# EAGLE board working (EAGLE 9.6.2), part 16 of 28 (continued)
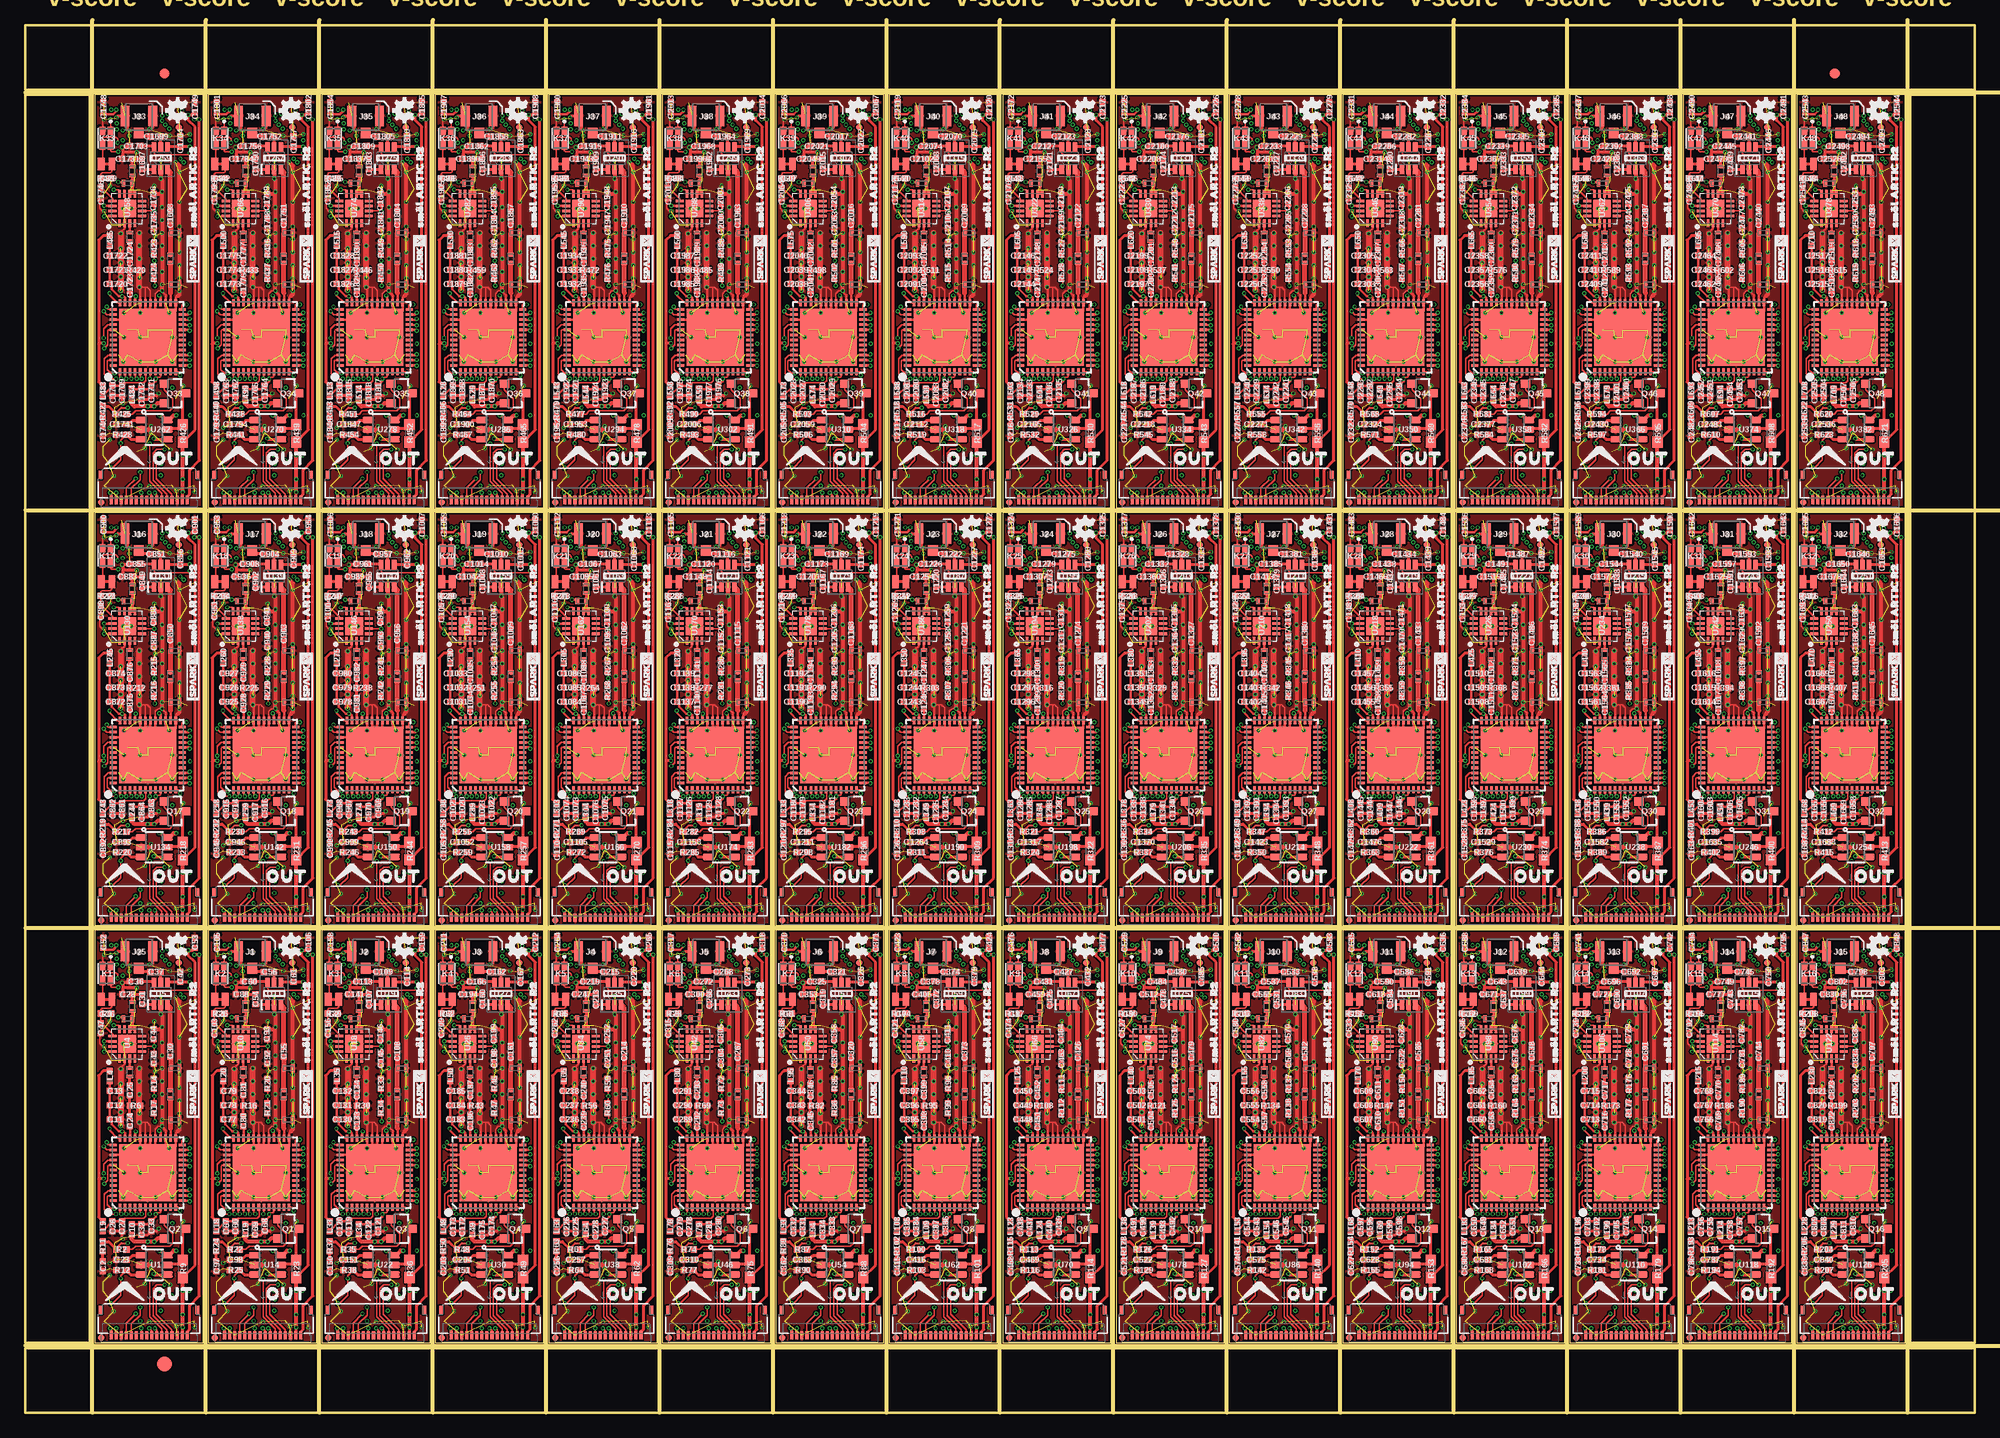
[diagram p0: board, top side]
## Tracks (layer width: path | path; a pad name or v marks a point on that pad's centre or on a via) (continued)
  Top 0.305: v154.24,45.27 154.41,45.44 J13.2 155.32,45.21 155.32,44.2 v155.51,44.01 | v157.48,44.13 157.67,44.13 157.84,44.3 J13.1 | C705.2 157.35,17.53 C704.2 158.19,17.85 v158.43,18.1 | v154.88,17.14 154.81,17.21 C702.2 C703.2 | C724.1 154.82,41.35 154.94,41.47 154.94,41.85 | 154.94,41.85 154.94,42.23 v154.81,42.35 155.46,42.35 C696.2 | v156.27,41.85 154.94,41.85
  Top 0.406: 160.27,27.69 160.45,27.86 L207.P$1 L208.P$1 160.45,34.53 v160.47,34.54 160.47,40.51 v160.08,40.89 | 156.59,30.22 R173.1 | v158.75,28.19 v158.75,28.83 v158.75,30.1 v158.75,31.37 v158.75,32.64 v158.75,33.91 v158.75,35.18 v158.75,36.45 v158.75,37.97 | C729.2 158.55,37.77 v158.75,37.97 | v157.67,14.86 157.35,14.54 | U110.2 157.35,14.54 | v157.67,14.22 157.35,14.54 | U107.2 v158.62,39.24 158.75,39.12 v158.75,37.97
  Top 0.61: v156.53,28.57 v156.53,29.46 v156.53,31.37 v156.53,32.64 v156.53,33.91 | 154.69,28.31 v154.69,29.59 v154.69,30.99 v154.69,32.38 v154.69,33.85
  Bottom 0.152: U111.4 161.02,18.68 v160.85,18.86 | v154.81,42.35 154.05,42.35 153.04,41.35 R174.2 C718.1 153.04,39.11 v153.61,38.54 | X14.2 153.58,23.95 152.41,23.95 | C694.2 152.41,13.46 152.41,20.9 | 152.41,23.95 152.41,27.12 152.59,27.3 C707.2 153.17,27.3 154.08,26.4 154.42,26.4 154.78,26.04 v155,26.04 | 152.41,23.95 152.41,20.9 | R172.2 152.41,20.9
  Bottom 0.254: X14.1 155.39,24 v155,23.62
  Bottom 0.305: C738.2 158.94,17.59 v158.43,18.1
  Bottom 0.406: v153.61,14.73 153.61,14.22 U108.2 153.61,14.1 v153.61,13.53
  other vias: 160.46,29.46 160.46,28.19 160.46,32 160.46,33.27 156.59,23.62 154.94,21.21 156.59,21.21 158.12,21.21 159.77,21.21 160.46,30.73 154.69,28.19 154.94,36.32 155.7,36.32 157.99,38.54 161.48,43.62 158.62,41.02 160.46,36.96 160.46,39.88 160.15,8.51 161.99,8.38 157.04,12.7 160.46,45.34 159.77,23.62 157.48,8.95 153.99,9.97 159.58,12.57 159.45,26.04 159.51,43.5 158.08,33.62 153.48,11.24
  cutout Route2 (isolate 0.305): 159,40.64 160.15,40.64 160.15,27.94 159.89,27.69 159.89,26.54 159.26,26.54 159.26,27.81 159,28.07
  pour Top (isolate 0.152, rank 3): 152.15,47.5 162.81,47.5 162.81,6.86 152.15,6.86
  pour Route2 (isolate 0.152, rank 2): 152.15,47.5 162.81,47.5 162.81,6.86 152.15,6.86
  pour Route15 (isolate 0.152, rank 2): 152.15,47.5 162.81,47.5 162.81,6.86 152.15,6.86
  pour Bottom (isolate 0.152, rank 2): 152.15,47.5 162.81,47.5 162.81,6.86 152.15,6.86
  pour Top (isolate 0.102): 154.43,35.18 156.84,35.18 156.84,26.29 154.43,26.29
  pour Top (isolate 0.102): 158.56,40.64 160.66,40.64 160.66,26.29 158.56,26.29
  pour Top (isolate 0.102): 155.07,41.59 158.56,41.59 158.56,37.15 155.07,37.15
  pour Top (isolate 0.102): 154.5,46.61 159.07,46.61 159.07,41.59 154.5,41.59
GND14  (via drill 0.2)  (89 unrouted)
  Top 0.152: U113.30 168.78,28.26 168.47,28.57 168.28,28.57 | v167.7,28.57 168.28,28.57 | U113.31 168.28,28.57 | U113.29 169.26,27.04 169.26,27.91 169.54,28.19 v169.93,28.19 | v164.21,36.07 164.02,36.07 163.77,36.32 163.77,37.22 C792.1 | K15.2 164.06,44.94 v164.21,45.08
  Top 0.203: U114.2 166.25,34.36 165.86,33.97 v165.86,33.85
  Top 0.254: v169.93,28.19 169.93,28.13 170.28,27.78 U113.27 170.28,25.94 170.31,25.91 | 171.45,27.69 171.28,27.52 U113.25 171.28,26.25 170.94,25.91 170.31,25.91 | v167.78,26.05 U113.32 167.78,28.5 v167.7,28.57 | v167.78,26.05 v167.77,26.04 | U113.39 165.94,25.37 166.18,25.62 v166.18,26.04 | 170.31,25.91 169.29,25.91 | 169.29,25.91 168.78,25.91 | 168.78,25.91 168.28,25.91 | 168.28,25.91 167.92,25.91 v167.78,26.05 | U113.31 168.28,25.91 | U113.30 168.78,25.91 | U113.29 169.28,25.92 169.29,25.91
  Top 0.305: v165.42,45.27 165.58,45.44 J14.2 166.5,45.21 166.5,44.2 v166.69,44.01 | v168.66,44.13 168.85,44.13 169.02,44.3 J14.1 | C758.2 168.53,17.53 C757.2 169.36,17.85 v169.61,18.1 | v166.05,17.14 165.99,17.21 C755.2 C756.2 | C777.1 166,41.35 166.12,41.47 166.12,41.85 | 166.12,41.85 166.12,42.23 v165.99,42.35 166.63,42.35 C749.2 | v167.45,41.85 166.12,41.85
  Top 0.406: 171.45,27.69 171.63,27.86 L222.P$1 L223.P$1 171.63,34.53 v171.64,34.54 171.64,40.51 v171.26,40.89 | R186.1 | v169.93,28.19 v169.93,28.83 v169.93,30.1 v169.93,31.37 v169.93,32.64 v169.93,33.91 v169.93,35.18 v169.93,36.45 v169.93,37.97 | C782.2 169.73,37.77 v169.93,37.97 | v168.85,14.86 168.53,14.54 | U118.2 168.53,14.54 | v168.85,14.22 168.53,14.54 | U115.2 v169.8,39.24 169.93,39.12 v169.93,37.97
  Top 0.61: v167.7,28.57 v167.7,29.46 v167.7,31.37 v167.7,32.64 v167.7,33.91 | 165.86,28.31 v165.86,29.59 v165.86,30.99 v165.86,32.38 v165.86,33.85
  Bottom 0.152: U119.4 172.2,18.68 v172.02,18.86 | v165.99,42.35 165.23,42.35 164.22,41.35 R187.2 C771.1 164.22,39.11 v164.78,38.54 | X15.2 164.76,23.95 163.58,23.95 | C747.2 163.58,13.46 163.58,20.9 | 163.58,23.95 163.58,27.12 163.76,27.3 C760.2 164.35,27.3 165.25,26.4 165.59,26.4 165.96,26.04 v166.18,26.04 | 163.58,23.95 163.58,20.9 | R185.2 163.59,20.9 163.58,20.9
  Bottom 0.254: X15.1 166.56,24 v166.18,23.62
  Bottom 0.305: C791.2 170.12,17.59 v169.61,18.1
  Bottom 0.406: v164.78,14.73 164.78,14.22 U116.2 164.78,14.1 v164.78,13.53
  other vias: 171.64,29.46 171.64,28.19 171.64,32 171.64,33.27 167.77,23.62 166.12,21.21 167.77,21.21 169.29,21.21 170.94,21.21 171.64,30.73 165.86,28.19 166.12,36.32 166.88,36.32 169.16,38.54 172.66,43.62 169.8,41.02 171.64,36.96 171.64,39.88 171.32,8.51 173.16,8.38 168.21,12.7 171.64,45.34 170.94,23.62 168.66,8.95 165.16,9.97 170.75,12.57 170.62,26.04 170.69,43.5 169.25,33.62 164.66,11.24
  cutout Route2 (isolate 0.305): 170.18,40.64 171.32,40.64 171.32,27.94 171.07,27.69 171.07,26.54 170.43,26.54 170.43,27.81 170.18,28.07
  pour Top (isolate 0.152, rank 3): 163.32,47.5 173.99,47.5 173.99,6.86 163.32,6.86
  pour Route2 (isolate 0.152, rank 2): 163.32,47.5 173.99,47.5 173.99,6.86 163.32,6.86
  pour Route15 (isolate 0.152, rank 2): 163.32,47.5 173.99,47.5 173.99,6.86 163.32,6.86
  pour Bottom (isolate 0.152, rank 2): 163.32,47.5 173.99,47.5 173.99,6.86 163.32,6.86
  pour Top (isolate 0.102): 165.61,35.18 168.02,35.18 168.02,26.29 165.61,26.29
  pour Top (isolate 0.102): 169.74,40.64 171.83,40.64 171.83,26.29 169.74,26.29
  pour Top (isolate 0.102): 166.24,41.59 169.74,41.59 169.74,37.15 166.24,37.15
  pour Top (isolate 0.102): 165.67,46.61 170.24,46.61 170.24,41.59 165.67,41.59
GND15  (via drill 0.2)  (89 unrouted)
  Top 0.152: U121.30 179.96,28.26 179.64,28.57 179.45,28.57 | v178.88,28.57 179.45,28.57 | U121.31 179.46,28.57 179.45,28.57 | U121.29 180.44,27.04 180.44,27.91 180.72,28.19 v181.1,28.19 | v175.39,36.07 175.2,36.07 174.94,36.32 174.94,37.22 C845.1 | K16.2 175.24,44.94 v175.39,45.08
  Top 0.203: U122.2 177.42,34.36 177.04,33.97 v177.04,33.85
  Top 0.254: v181.1,28.19 181.1,28.13 181.46,27.78 U121.27 181.46,25.94 181.48,25.91 | 182.63,27.69 182.46,27.52 U121.25 182.46,26.25 182.12,25.91 181.48,25.91 | v178.96,26.05 U121.32 178.96,28.5 v178.88,28.57 | v178.96,26.05 v178.94,26.04 | U121.39 177.11,25.37 177.36,25.62 v177.36,26.04 | 181.48,25.91 180.47,25.91 | 180.47,25.91 179.96,25.91 | 179.96,25.91 179.45,25.91 | 179.45,25.91 179.09,25.91 v178.96,26.05 | U121.31 179.46,25.91 179.45,25.91 | U121.30 179.96,25.91 | U121.29 180.46,25.92 180.47,25.91
  Top 0.305: v176.59,45.27 176.76,45.44 J15.2 177.67,45.21 177.67,44.2 v177.86,44.01 | v179.83,44.13 180.02,44.13 180.19,44.3 J15.1 | C811.2 179.71,17.53 C810.2 180.54,17.85 v180.78,18.1 | v177.23,17.14 177.16,17.21 C808.2 C809.2 | C830.1 177.17,41.35 177.29,41.47 177.29,41.85 | 177.29,41.85 177.29,42.23 v177.16,42.35 177.81,42.35 C802.2 | v178.63,41.85 177.29,41.85
  Top 0.406: 182.63,27.69 182.8,27.86 L237.P$1 L238.P$1 182.8,34.53 v182.82,34.54 182.82,40.51 v182.44,40.89 | R199.1 | v181.1,28.19 v181.1,28.83 v181.1,30.1 v181.1,31.37 v181.1,32.64 v181.1,33.91 v181.1,35.18 v181.1,36.45 v181.1,37.97 | C835.2 180.9,37.77 v181.1,37.97 | v180.02,14.86 179.71,14.54 | U126.2 179.71,14.54 | v180.02,14.22 179.71,14.54 | U123.2 v180.97,39.24 181.1,39.12 v181.1,37.97
  Top 0.61: v178.88,28.57 v178.88,29.46 v178.88,31.37 v178.88,32.64 v178.88,33.91 | 177.04,28.31 v177.04,29.59 v177.04,30.99 v177.04,32.38 v177.04,33.85
  Bottom 0.152: U127.4 183.38,18.68 v183.2,18.86 | v177.16,42.35 176.4,42.35 175.4,41.35 R200.2 C824.1 175.4,39.11 v175.96,38.54 | X16.2 175.94,23.95 174.76,23.95 | C800.2 174.76,13.46 174.76,20.9 | 174.76,23.95 174.76,27.12 174.94,27.3 C813.2 175.52,27.3 176.43,26.4 176.77,26.4 177.13,26.04 v177.36,26.04 | 174.76,23.95 174.76,20.9 | R198.2 174.76,20.9
  Bottom 0.254: X16.1 177.74,24 v177.36,23.62
  Bottom 0.305: C844.2 181.29,17.59 v180.78,18.1
  Bottom 0.406: v175.96,14.73 175.96,14.22 U124.2 175.96,14.1 v175.96,13.53
  other vias: 182.82,29.46 182.82,28.19 182.82,32 182.82,33.27 178.94,23.62 177.29,21.21 178.94,21.21 180.47,21.21 182.12,21.21 182.82,30.73 177.04,28.19 177.29,36.32 178.05,36.32 180.34,38.54 183.83,43.62 180.97,41.02 182.82,36.96 182.82,39.88 182.5,8.51 184.34,8.38 179.39,12.7 182.82,45.34 182.12,23.62 179.83,8.95 176.34,9.97 181.93,12.57 181.8,26.04 181.86,43.5 180.43,33.62 175.83,11.24
  cutout Route2 (isolate 0.305): 181.36,40.64 182.5,40.64 182.5,27.94 182.25,27.69 182.25,26.54 181.61,26.54 181.61,27.81 181.36,28.07
  pour Top (isolate 0.152, rank 3): 174.5,47.5 185.17,47.5 185.17,6.86 174.5,6.86
  pour Route2 (isolate 0.152, rank 2): 174.5,47.5 185.17,47.5 185.17,6.86 174.5,6.86
  pour Route15 (isolate 0.152, rank 2): 174.5,47.5 185.17,47.5 185.17,6.86 174.5,6.86
  pour Bottom (isolate 0.152, rank 2): 174.5,47.5 185.17,47.5 185.17,6.86 174.5,6.86
  pour Top (isolate 0.102): 176.78,35.18 179.2,35.18 179.2,26.29 176.78,26.29
  pour Top (isolate 0.102): 180.91,40.64 183.01,40.64 183.01,26.29 180.91,26.29
  pour Top (isolate 0.102): 177.42,41.59 180.91,41.59 180.91,37.15 177.42,37.15
  pour Top (isolate 0.102): 176.85,46.61 181.42,46.61 181.42,41.59 176.85,41.59
GND16  (via drill 0.2)  (89 unrouted)
  Top 0.152: U129.30 12.31,69.41 12,69.72 11.81,69.72 | v11.24,69.72 11.81,69.72 | U129.31 11.81,69.72 | U129.29 12.8,68.19 12.8,69.06 13.08,69.34 v13.46,69.34 | v7.75,77.22 7.56,77.22 7.3,77.47 7.3,78.37 C898.1 | K17.2 7.6,86.09 v7.75,86.23
  Top 0.203: U130.2 9.78,75.51 9.4,75.12 v9.4,74.99
  Top 0.254: v13.46,69.34 13.46,69.28 13.81,68.93 U129.27 13.81,67.08 13.84,67.06 | 14.99,68.83 14.81,68.66 U129.25 14.81,67.39 14.48,67.06 13.84,67.06 | v11.31,67.2 U129.32 11.31,69.65 v11.24,69.72 | v11.31,67.2 v11.3,67.18 | U129.39 9.47,66.52 9.71,66.76 v9.71,67.18 | 13.84,67.06 12.83,67.06 | 12.83,67.06 12.32,67.06 | 12.32,67.06 11.81,67.06 | 11.81,67.06 11.45,67.06 v11.31,67.2 | U129.31 11.81,67.06 | U129.30 12.31,67.06 12.32,67.06 | U129.29 12.81,67.07 12.83,67.06
  Top 0.305: v8.95,86.42 9.12,86.59 J16.2 10.03,86.36 10.03,85.34 v10.22,85.15 | v12.19,85.28 12.38,85.28 12.55,85.45 J16.1 | C864.2 12.06,58.68 C863.2 12.9,59 v13.14,59.25 | v9.59,58.29 9.52,58.36 C861.2 C862.2 | C883.1 9.53,82.49 9.65,82.61 9.65,82.99 | 9.65,82.99 9.65,83.38 v9.52,83.5 10.17,83.5 C855.2 | v10.99,82.99 9.65,82.99
  Top 0.406: 14.99,68.83 15.16,69.01 L252.P$1 L253.P$1 15.16,75.68 v15.18,75.69 15.18,81.66 v14.8,82.04 | 11.3,71.37 R212.1 | v13.46,69.34 v13.46,69.98 v13.46,71.25 v13.46,72.52 v13.46,73.79 v13.46,75.06 v13.46,76.33 v13.46,77.6 v13.46,79.12 | C888.2 13.26,78.92 v13.46,79.12 | v12.38,56.01 12.06,55.69 | U134.2 12.06,55.69 | v12.38,55.37 12.06,55.69 | U131.2 v13.34,80.39 13.46,80.26 v13.46,79.12
  Top 0.61: v11.24,69.72 v11.24,70.61 v11.24,72.52 v11.24,73.79 v11.24,75.06 | 9.4,69.46 v9.4,70.74 v9.4,72.14 v9.4,73.53 v9.4,74.99
  Bottom 0.152: U135.4 15.74,59.83 v15.56,60.01 | v9.52,83.5 8.76,83.5 7.75,82.49 R213.2 C877.1 7.75,80.26 v8.32,79.69 | X17.2 8.29,65.1 7.12,65.1 | C853.2 7.12,54.61 7.12,62.05 | 7.12,65.1 7.12,68.27 7.3,68.45 C866.2 7.88,68.45 8.79,67.55 9.13,67.55 9.49,67.18 v9.71,67.18 | 7.12,65.1 7.12,62.05 | R211.2 7.12,62.05
  Bottom 0.254: X17.1 10.1,65.15 v9.71,64.77
  Bottom 0.305: C897.2 13.65,58.74 v13.14,59.25
  Bottom 0.406: v8.32,55.88 8.32,55.37 U132.2 8.32,55.25 v8.32,54.67
  other vias: 15.18,70.61 15.18,69.34 15.18,73.15 15.18,74.42 11.3,64.77 9.65,62.36 11.3,62.36 12.83,62.36 14.48,62.36 15.18,71.88 9.4,69.34 9.65,77.47 10.41,77.47 12.7,79.69 16.19,84.77 13.34,82.17 15.18,78.11 15.18,81.03 14.86,49.66 16.7,49.53 11.75,53.85 15.18,86.49 14.48,64.77 12.19,50.1 8.7,51.12 14.29,53.72 14.16,67.18 14.22,84.65 12.79,74.76 8.19,52.39
  cutout Route2 (isolate 0.305): 13.72,81.79 14.86,81.79 14.86,69.09 14.61,68.83 14.61,67.69 13.97,67.69 13.97,68.96 13.72,69.22
  pour Top (isolate 0.152, rank 3): 6.86,88.65 17.53,88.65 17.53,48.01 6.86,48.01
  pour Route2 (isolate 0.152, rank 2): 6.86,88.65 17.53,88.65 17.53,48.01 6.86,48.01
  pour Route15 (isolate 0.152, rank 2): 6.86,88.65 17.53,88.65 17.53,48.01 6.86,48.01
  pour Bottom (isolate 0.152, rank 2): 6.86,88.65 17.53,88.65 17.53,48.01 6.86,48.01
  pour Top (isolate 0.102): 9.14,76.33 11.56,76.33 11.56,67.44 9.14,67.44
  pour Top (isolate 0.102): 13.27,81.79 15.37,81.79 15.37,67.44 13.27,67.44
  pour Top (isolate 0.102): 9.78,82.74 13.27,82.74 13.27,78.3 9.78,78.3
  pour Top (isolate 0.102): 9.21,87.76 13.78,87.76 13.78,82.74 9.21,82.74
GND17  (via drill 0.2)  (89 unrouted)
  Top 0.152: U137.30 23.49,69.41 23.18,69.72 22.99,69.72 | v22.41,69.72 22.99,69.72 | U137.31 22.99,69.72 | U137.29 23.97,68.19 23.97,69.06 24.25,69.34 v24.64,69.34 | v18.92,77.22 18.73,77.22 18.48,77.47 18.48,78.37 C951.1 | K18.2 18.78,86.09 v18.92,86.23
  Top 0.203: U138.2 20.96,75.51 20.57,75.12 v20.57,74.99
  Top 0.254: v24.64,69.34 24.64,69.28 24.99,68.93 U137.27 24.99,67.08 25.02,67.06 | 26.16,68.83 25.99,68.66 U137.25 25.99,67.39 25.65,67.06 25.02,67.06 | 22.49,67.2 U137.32 22.49,69.65 v22.41,69.72 | 22.49,67.2 v22.48,67.18 | U137.39 20.65,66.52 20.89,66.76 v20.89,67.18 | 25.02,67.06 24,67.06 | 24,67.06 23.5,67.06 | 23.5,67.06 22.99,67.06 | 22.99,67.06 22.63,67.06 22.49,67.2 | U137.31 22.99,67.06 | U137.30 23.49,67.06 23.5,67.06 | U137.29 23.99,67.07 24,67.06
  Top 0.305: v20.13,86.42 20.29,86.59 J17.2 21.21,86.36 21.21,85.34 v21.4,85.15 | v23.37,85.28 23.56,85.28 23.73,85.45 J17.1 | C917.2 23.24,58.68 C916.2 24.07,59 v24.32,59.25 | v20.76,58.29 20.7,58.36 C914.2 C915.2 | C936.1 20.71,82.49 20.83,82.61 20.83,82.99 | 20.83,82.99 20.83,83.38 v20.7,83.5 21.34,83.5 C908.2 | v22.16,82.99 20.83,82.99
  Top 0.406: 26.16,68.83 26.34,69.01 L267.P$1 L268.P$1 v26.34,75.68 v26.35,75.69 26.35,81.66 v25.97,82.04 | 22.48,71.37 R225.1 | v24.64,69.34 v24.64,69.98 v24.64,71.25 v24.64,72.52 v24.64,73.79 v24.64,75.06 v24.64,76.33 v24.64,77.6 v24.64,79.12 | C941.2 24.44,78.92 v24.64,79.12 | v23.56,56.01 23.24,55.69 | U142.2 23.24,55.69 | v23.56,55.37 23.24,55.69 | U139.2 v24.51,80.39 24.64,80.26 v24.64,79.12
  Top 0.61: v22.41,69.72 v22.41,70.61 v22.41,72.52 v22.41,73.79 v22.41,75.06 | 20.57,69.46 v20.57,70.74 v20.57,72.14 v20.57,73.53 v20.57,74.99
  Bottom 0.152: U143.4 26.91,59.83 v26.73,60.01 | v20.7,83.5 19.94,83.5 18.93,82.49 R226.2 C930.1 18.93,80.26 v19.49,79.69 | X18.2 19.47,65.1 18.29,65.1 | C906.2 18.29,54.61 18.29,62.05 | 18.29,65.1 18.29,68.27 18.48,68.45 C919.2 19.06,68.45 19.97,67.55 20.31,67.55 20.67,67.18 v20.89,67.18 | 18.29,65.1 18.29,62.05 | R224.2 18.3,62.05 18.29,62.05
  Bottom 0.254: X18.1 21.27,65.15 v20.89,64.77
  Bottom 0.305: C950.2 24.83,58.74 v24.32,59.25
  Bottom 0.406: v19.49,55.88 19.49,55.37 U140.2 19.49,55.25 v19.49,54.67
  other vias: 26.35,70.61 26.35,69.34 26.35,73.15 26.35,74.42 22.48,64.77 20.83,62.36 22.48,62.36 24,62.36 25.65,62.36 26.35,71.88 20.57,69.34 20.83,77.47 21.59,77.47 23.88,79.69 27.37,84.77 24.51,82.17 26.35,78.11 26.35,81.03 26.04,49.66 27.88,49.53 22.92,53.85 26.35,86.49 25.65,64.77 23.37,50.1 19.88,51.12 25.46,53.72 25.34,67.18 25.4,84.65 23.96,74.76 19.37,52.39
  cutout Route2 (isolate 0.305): 24.89,81.79 26.04,81.79 26.04,69.09 25.78,68.83 25.78,67.69 25.15,67.69 25.15,68.96 24.89,69.22
  pour Top (isolate 0.152, rank 3): 18.03,88.65 28.7,88.65 28.7,48.01 18.03,48.01
  pour Route2 (isolate 0.152, rank 2): 18.03,88.65 28.7,88.65 28.7,48.01 18.03,48.01
  pour Route15 (isolate 0.152, rank 2): 18.03,88.65 28.7,88.65 28.7,48.01 18.03,48.01
  pour Bottom (isolate 0.152, rank 2): 18.03,88.65 28.7,88.65 28.7,48.01 18.03,48.01
  pour Top (isolate 0.102): 20.32,76.33 22.73,76.33 22.73,67.44 20.32,67.44
  pour Top (isolate 0.102): 24.45,81.79 26.54,81.79 26.54,67.44 24.45,67.44
  pour Top (isolate 0.102): 20.95,82.74 24.45,82.74 24.45,78.3 20.95,78.3
  pour Top (isolate 0.102): 20.38,87.76 24.96,87.76 24.96,82.74 20.38,82.74
GND18  (via drill 0.2)  (89 unrouted)
  Top 0.152: U145.30 34.67,69.41 34.35,69.72 34.16,69.72 | v33.59,69.72 34.16,69.72 | U145.31 34.17,69.72 34.16,69.72 | U145.29 35.15,68.19 35.15,69.06 35.43,69.34 v35.81,69.34 | v30.1,77.22 29.91,77.22 29.66,77.47 29.66,78.37 C1004.1 | K19.2 29.95,86.09 v30.1,86.23
  Top 0.203: U146.2 32.13,75.51 31.75,75.12 v31.75,74.99
  Top 0.254: v35.81,69.34 35.81,69.28 36.17,68.93 U145.27 36.17,67.08 36.2,67.06 | 37.34,68.83 37.17,68.66 U145.25 37.17,67.39 36.83,67.06 36.2,67.06 | v33.67,67.2 U145.32 33.67,69.65 v33.59,69.72 | v33.67,67.2 v33.66,67.18 | U145.39 31.82,66.52 32.07,66.76 v32.07,67.18 | 36.2,67.06 35.18,67.06 | 35.18,67.06 34.67,67.06 | 34.67,67.06 34.16,67.06 | 34.16,67.06 33.81,67.06 v33.67,67.2 | U145.31 34.17,67.06 34.16,67.06 | U145.30 34.67,67.06 | U145.29 35.17,67.07 35.18,67.06
  Top 0.305: v31.31,86.42 31.47,86.59 J18.2 32.38,86.36 32.38,85.34 v32.58,85.15 | v34.54,85.28 34.73,85.28 34.9,85.45 J18.1 | C970.2 34.42,58.68 C969.2 35.25,59 v35.5,59.25 | v31.94,58.29 31.88,58.36 C967.2 C968.2 | C989.1 31.89,82.49 32,82.61 32,82.99 | 32,82.99 32,83.38 v31.88,83.5 32.52,83.5 C961.2 | v33.34,82.99 32,82.99
  Top 0.406: 37.34,68.83 37.52,69.01 L282.P$1 L283.P$1 37.52,75.68 v37.53,75.69 37.53,81.66 v37.15,82.04 | 33.66,71.37 R238.1 | v35.81,69.34 v35.81,69.98 v35.81,71.25 v35.81,72.52 v35.81,73.79 v35.81,75.06 v35.81,76.33 v35.81,77.6 v35.81,79.12 | C994.2 35.62,78.92 v35.81,79.12 | v34.73,56.01 34.42,55.69 | U150.2 34.42,55.69 | v34.73,55.37 34.42,55.69 | U147.2 v35.69,80.39 35.81,80.26 v35.81,79.12
  Top 0.61: v33.59,69.72 v33.59,70.61 v33.59,72.52 v33.59,73.79 v33.59,75.06 | 31.75,69.46 v31.75,70.74 v31.75,72.14 v31.75,73.53 v31.75,74.99
  Bottom 0.152: U151.4 38.09,59.83 v37.91,60.01 | v31.88,83.5 31.12,83.5 30.11,82.49 R239.2 C983.1 30.11,80.26 v30.67,79.69 | X19.2 30.65,65.1 29.47,65.1 | C959.2 29.47,54.61 29.47,62.05 | 29.47,65.1 29.47,68.27 29.65,68.45 C972.2 30.23,68.45 31.14,67.55 31.48,67.55 31.84,67.18 v32.07,67.18 | 29.47,65.1 29.47,62.05 | R237.2 29.47,62.05
  Bottom 0.254: X19.1 32.45,65.15 v32.07,64.77
  Bottom 0.305: C1003.2 36,58.74 v35.5,59.25
  Bottom 0.406: v30.67,55.88 30.67,55.37 U148.2 30.67,55.25 v30.67,54.67
  other vias: 37.53,70.61 37.53,69.34 37.53,73.15 37.53,74.42 33.66,64.77 32,62.36 33.66,62.36 35.18,62.36 36.83,62.36 37.53,71.88 31.75,69.34 32,77.47 32.77,77.47 35.05,79.69 38.54,84.77 35.69,82.17 37.53,78.11 37.53,81.03 37.21,49.66 39.05,49.53 34.1,53.85 37.53,86.49 36.83,64.77 34.54,50.1 31.05,51.12 36.64,53.72 36.51,67.18 36.58,84.65 35.14,74.76 30.54,52.39
  cutout Route2 (isolate 0.305): 36.07,81.79 37.21,81.79 37.21,69.09 36.96,68.83 36.96,67.69 36.32,67.69 36.32,68.96 36.07,69.22
  pour Top (isolate 0.152, rank 3): 29.21,88.65 39.88,88.65 39.88,48.01 29.21,48.01
  pour Route2 (isolate 0.152, rank 2): 29.21,88.65 39.88,88.65 39.88,48.01 29.21,48.01
  pour Route15 (isolate 0.152, rank 2): 29.21,88.65 39.88,88.65 39.88,48.01 29.21,48.01
  pour Bottom (isolate 0.152, rank 2): 29.21,88.65 39.88,88.65 39.88,48.01 29.21,48.01
  pour Top (isolate 0.102): 31.5,76.33 33.91,76.33 33.91,67.44 31.5,67.44
  pour Top (isolate 0.102): 35.62,81.79 37.72,81.79 37.72,67.44 35.62,67.44
  pour Top (isolate 0.102): 32.13,82.74 35.62,82.74 35.62,78.3 32.13,78.3
  pour Top (isolate 0.102): 31.56,87.76 36.13,87.76 36.13,82.74 31.56,82.74
GND19  (via drill 0.2)  (89 unrouted)
  Top 0.152: U153.30 45.84,69.41 45.53,69.72 45.34,69.72 | v44.77,69.72 45.34,69.72 | U153.31 45.34,69.72 | U153.29 46.32,68.19 46.32,69.06 46.6,69.34 v46.99,69.34 | v41.27,77.22 41.08,77.22 40.83,77.47 40.83,78.37 C1057.1 | K20.2 41.13,86.09 v41.27,86.23
  Top 0.203: U154.2 43.31,75.51 42.93,75.12 v42.93,74.99
  Top 0.254: v46.99,69.34 46.99,69.28 47.34,68.93 U153.27 47.34,67.08 47.37,67.06 | 48.51,68.83 48.34,68.66 U153.25 48.34,67.39 48.01,67.06 47.37,67.06 | 44.84,67.2 U153.32 44.84,69.65 v44.77,69.72 | 44.84,67.2 v44.83,67.18 | U153.39 43,66.52 43.24,66.76 v43.24,67.18 | 47.37,67.06 46.35,67.06 | 46.35,67.06 45.85,67.06 | 45.85,67.06 45.34,67.06 | 45.34,67.06 44.98,67.06 44.84,67.2 | U153.31 45.34,67.06 | U153.30 45.84,67.06 45.85,67.06 | U153.29 46.34,67.07 46.35,67.06
  Top 0.305: v42.48,86.42 42.64,86.59 J19.2 43.56,86.36 43.56,85.34 v43.75,85.15 | v45.72,85.28 45.91,85.28 46.08,85.45 J19.1 | C1023.2 45.59,58.68 C1022.2 46.43,59 v46.67,59.25 | v43.12,58.29 43.05,58.36 C1020.2 C1021.2 | C1042.1 43.06,82.49 43.18,82.61 43.18,82.99 | 43.18,82.99 43.18,83.38 v43.05,83.5 43.7,83.5 C1014.2 | v44.51,82.99 43.18,82.99
  Top 0.406: 48.51,68.83 48.69,69.01 L297.P$1 L298.P$1 48.69,75.68 v48.7,75.69 48.7,81.66 v48.32,82.04 | 44.83,71.37 R251.1 | v46.99,69.34 v46.99,69.98 v46.99,71.25 v46.99,72.52 v46.99,73.79 v46.99,75.06 v46.99,76.33 v46.99,77.6 v46.99,79.12 | C1047.2 46.79,78.92 v46.99,79.12 | v45.91,56.01 45.59,55.69 | U158.2 45.59,55.69 | v45.91,55.37 45.59,55.69 | U155.2 v46.86,80.39 46.99,80.26 v46.99,79.12
  Top 0.61: v44.77,69.72 v44.77,70.61 v44.77,72.52 v44.77,73.79 v44.77,75.06 | 42.93,69.46 v42.93,70.74 v42.93,72.14 v42.93,73.53 v42.93,74.99
  Bottom 0.152: U159.4 49.26,59.83 v49.08,60.01 | v43.05,83.5 42.29,83.5 41.28,82.49 R252.2 C1036.1 41.28,80.26 v41.85,79.69 | X20.2 41.82,65.1 40.65,65.1 40.64,65.1 | C1012.2 40.64,54.61 40.64,62.05 | 40.64,65.1 40.64,68.27 40.83,68.45 C1025.2 41.41,68.45 42.32,67.55 42.66,67.55 43.02,67.18 v43.24,67.18 | 40.64,65.1 40.64,62.05 | R250.2 40.65,62.05 40.64,62.05
  Bottom 0.254: X20.1 43.63,65.15 v43.24,64.77
  Bottom 0.305: C1056.2 47.18,58.74 v46.67,59.25
  Bottom 0.406: v41.85,55.88 41.85,55.37 U156.2 41.85,55.25 v41.85,54.67
  other vias: 48.7,70.61 48.7,69.34 48.7,73.15 48.7,74.42 44.83,64.77 43.18,62.36 44.83,62.36 46.35,62.36 48.01,62.36 48.7,71.88 42.93,69.34 43.18,77.47 43.94,77.47 46.23,79.69 49.72,84.77 46.86,82.17 48.7,78.11 48.7,81.03 48.39,49.66 50.23,49.53 45.28,53.85 48.7,86.49 48.01,64.77 45.72,50.1 42.23,51.12 47.82,53.72 47.69,67.18 47.75,84.65 46.32,74.76 41.72,52.39
  cutout Route2 (isolate 0.305): 47.24,81.79 48.39,81.79 48.39,69.09 48.13,68.83 48.13,67.69 47.5,67.69 47.5,68.96 47.24,69.22
  pour Top (isolate 0.152, rank 3): 40.39,88.65 51.05,88.65 51.05,48.01 40.39,48.01
  pour Route2 (isolate 0.152, rank 2): 40.39,88.65 51.05,88.65 51.05,48.01 40.39,48.01
  pour Route15 (isolate 0.152, rank 2): 40.39,88.65 51.05,88.65 51.05,48.01 40.39,48.01
  pour Bottom (isolate 0.152, rank 2): 40.39,88.65 51.05,88.65 51.05,48.01 40.39,48.01
  pour Top (isolate 0.102): 42.67,76.33 45.08,76.33 45.08,67.44 42.67,67.44
  pour Top (isolate 0.102): 46.8,81.79 48.89,81.79 48.89,67.44 46.8,67.44
  pour Top (isolate 0.102): 43.31,82.74 46.8,82.74 46.8,78.3 43.31,78.3
  pour Top (isolate 0.102): 42.74,87.76 47.31,87.76 47.31,82.74 42.74,82.74
GND20  (via drill 0.2)  (89 unrouted)
  Top 0.152: U161.30 57.02,69.41 56.7,69.72 56.51,69.72 | v55.94,69.72 56.51,69.72 | U161.31 56.52,69.72 56.51,69.72 | U161.29 57.5,68.19 57.5,69.06 57.78,69.34 v58.17,69.34 | v52.45,77.22 52.26,77.22 52.01,77.47 52.01,78.37 C1110.1 | K21.2 52.3,86.09 v52.45,86.23
  Top 0.203: U162.2 54.49,75.51 54.1,75.12 v54.1,74.99
  Top 0.254: v58.17,69.34 58.17,69.28 58.52,68.93 U161.27 58.52,67.08 58.55,67.06 | 59.69,68.83 59.52,68.66 U161.25 59.52,67.39 59.18,67.06 58.55,67.06 | 56.02,67.2 U161.32 56.02,69.65 v55.94,69.72 | 56.02,67.2 v56.01,67.18 | U161.39 54.18,66.52 54.42,66.76 v54.42,67.18 | 58.55,67.06 57.53,67.06 | 57.53,67.06 57.02,67.06 | 57.02,67.06 56.51,67.06 | 56.51,67.06 56.16,67.06 56.02,67.2 | U161.31 56.52,67.06 56.51,67.06 | U161.30 57.02,67.06 | U161.29 57.52,67.07 57.53,67.06
  Top 0.305: v53.66,86.42 53.82,86.59 J20.2 54.74,86.36 54.74,85.34 v54.93,85.15 | v56.9,85.28 57.09,85.28 57.25,85.45 J20.1 | C1076.2 56.77,58.68 C1075.2 57.6,59 v57.85,59.25 | v54.29,58.29 54.23,58.36 C1073.2 C1074.2 | C1095.1 54.24,82.49 54.36,82.61 54.36,82.99 | 54.36,82.99 54.36,83.38 v54.23,83.5 54.87,83.5 C1067.2 | v55.69,82.99 54.36,82.99
  Top 0.406: 59.69,68.83 59.87,69.01 L312.P$1 L313.P$1 v59.87,75.68 v59.88,75.69 59.88,81.66 v59.5,82.04 | 56.01,71.37 R264.1 | v58.17,69.34 v58.17,69.98 v58.17,71.25 v58.17,72.52 v58.17,73.79 v58.17,75.06 v58.17,76.33 v58.17,77.6 v58.17,79.12 | C1100.2 57.97,78.92 v58.17,79.12 | v57.09,56.01 56.77,55.69 | U166.2 56.77,55.69 | v57.09,55.37 56.77,55.69 | U163.2 v58.04,80.39 58.17,80.26 v58.17,79.12
  Top 0.61: v55.94,69.72 v55.94,70.61 v55.94,72.52 v55.94,73.79 v55.94,75.06 | 54.1,69.46 v54.1,70.74 v54.1,72.14 v54.1,73.53 v54.1,74.99